# KiCad board switch.kicad_pcb
title: mrxSwitch; date: 2024-06-02; rev: V2; company: MUREX Robotics [Max Liu and Byran Huang]; note: utilizing the IC Plus IP175G and external magnetics; note: World's smallest and cheapest 5 port unmanaged ethernet switch; note: // TECHNOLOGY FOR ALL.; note: // ATTEMPT THE IMPOSSIBLE.
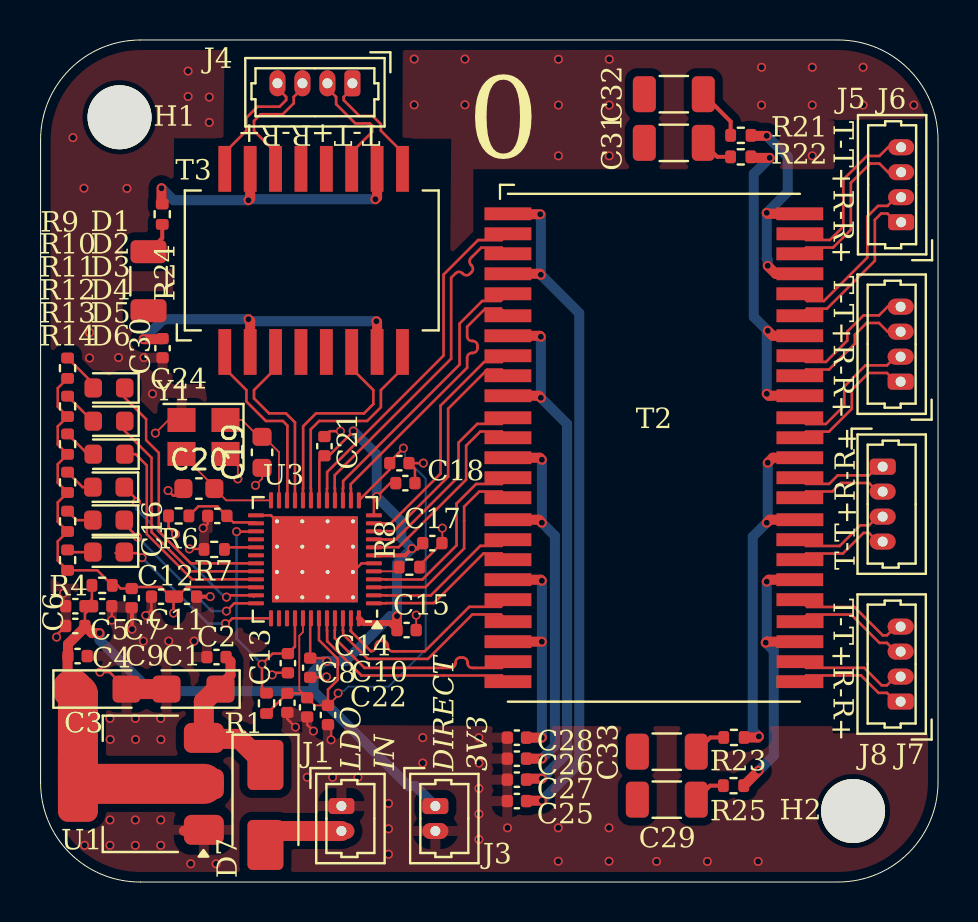
[diagram p0: board, top side]
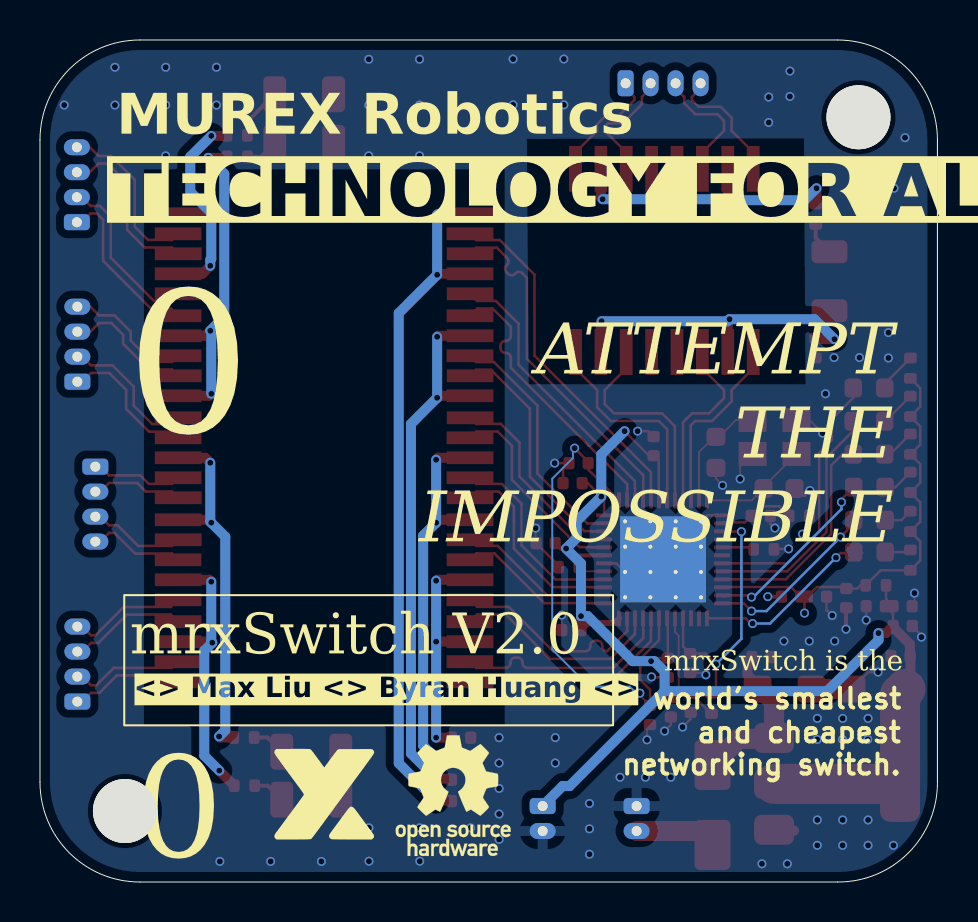
[diagram p1: board, bottom side, seen from below]

Outline 44.9 x 42.11 mm; copper layers: Top, In1.Cu (plane), In2.Cu (plane), Bottom. Coordinates in mm from the lower left corner of the outline.
Outline path: 0,5 0,37.11 arc(1.46,40.65) 5,42.11 39.9,42.11 arc(43.44,40.65) 44.9,37.11 44.9,5 arc(43.44,1.46) 39.9,0 5,0 arc(1.45,1.45) 0,5
Stack: Top 0.035mm / dielectric 0.1mm FR4 er 4.5 / In1.Cu 0.035mm / dielectric 1.24mm FR4 er 4.5 / In2.Cu 0.035mm / dielectric 0.1mm FR4 er 4.5 / Bottom 0.035mm

## Placement (name value [footprint] x y rotation side)
C1  10uF  [CP_EIA-3216-18_Kemet-A]  7.65 9.65 180 top
C2  0.1uF  [C_0402_1005Metric]  8.8 11.25 180 top
C3  10uF  [CP_EIA-3216-18_Kemet-A]  2.95 9.65 0 top
C4  0.1uF  [C_0402_1005Metric]  1.85 11.3 0 top
C5  0.1uF  [C_0402_1005Metric]  1.74 12.81 0 top
C6  22uF  [C_0402_1005Metric]  1.74 13.8 0 top
C7  47uF  [C_0402_1005Metric]  3.08 13.8 0 top
C8  4.7uF  [C_0402_1005Metric]  12.35 8.96 90 top
C9  0.1uF  [C_0402_1005Metric]  4.56 14.2 90 top
C10  10uF/NC  [C_0402_1005Metric]  13.34 8.74 90 top
C11  22uF  [C_0402_1005Metric]  7.32 14.27 180 top
C12  47uF  [C_0402_1005Metric]  6.03 14.27 180 top
C13  0.1uF  [C_0402_1005Metric]  12.37 10.95 270 top
C14  0.1uF  [C_0402_1005Metric]  13.49 10.72 270 top
C15  0.1uF  [C_0402_1005Metric]  18.31 12.6 0 top
C16  0.1uF  [C_0402_1005Metric]  8.84 18.31 0 top
C17  0.1uF  [C_0402_1005Metric]  19.6 16.95 0 top
C18  0.1uF  [C_0402_1005Metric]  18.25 19.95 0 top
C19  30pF  [C_0603_1608Metric]  11.08 21.49 90 top
C20  30pF  [C_0603_1608Metric]  7.92 19.68 0 top
C21  0.1uF  [C_0402_1005Metric]  14.2 21.8 90 top
C22  0.1uF  [C_0402_1005Metric]  14.38 8.35 270 top
C23  0.1uF  [C_0402_1005Metric]  17.95 20.95 0 top
C24  0.1uF  [C_0402_1005Metric]  6.1 26.7 270 top
C25  0.1uF  [C_0402_1005Metric]  23.83 4.05 180 top
C26  0.1uF  [C_0402_1005Metric]  23.83 6.17 180 top
C27  0.1uF  [C_0402_1005Metric]  23.83 5.12 180 top
C28  0.1uF  [C_0402_1005Metric]  23.83 7.22 180 top
C29  1nF 2KV (1206)  [C_1206_3216Metric]  31.33 4.12 180 top
C30  1nF 2KV (1206)  [C_1206_3216Metric]  5.4 30.05 270 top
C31  1nF 2KV (1206)  [C_1206_3216Metric]  31.68 36.97 180 top
C32  1nF 2KV (1206)  [C_1206_3216Metric]  31.68 39.4 180 top
C33  1nF 2KV (1206)  [C_1206_3216Metric]  31.33 6.52 180 top
D1  ~  [LED_0603_1608Metric]  3.42 24.71 180 top
D2  ~  [LED_0603_1608Metric]  3.42 23.05 180 top
D3  ~  [LED_0603_1608Metric]  3.42 21.4 180 top
D4  ~  [LED_0603_1608Metric]  3.4 19.75 180 top
D5  ~  [LED_0603_1608Metric]  3.4 18.1 180 top
D6  ~  [LED_0603_1608Metric]  3.4 16.5 180 top
D7  Input Diode  [D_SMA]  11.25 3.85 270 top
G***  LOGO  [10x10mm_Branding]  30.71 4.45 180 bottom
H1  MountingHole  [MountingHole_3.2mm_M3]  3.95 38.25 0 top
H2  MountingHole  [MountingHole_3.2mm_M3]  40.65 3.55 0 top
J1  LDO IN  [Molex_PicoBlade_53047-0210_1x02_P1.25mm_Vertical]  15.05 3.8 270 top
J3  3.3V IN  [Molex_PicoBlade_53047-0210_1x02_P1.25mm_Vertical]  19.75 3.8 270 top
J4  PHY 5  [Molex_PicoBlade_53047-0410_1x04_P1.25mm_Vertical]  15.6 39.95 180 top
J5  PHY 4  [Molex_PicoBlade_53047-0410_1x04_P1.25mm_Vertical]  43.06 33 90 top
J6  PHY 3  [Molex_PicoBlade_53047-0410_1x04_P1.25mm_Vertical]  43.03 25.02 90 top
J7  PHY 2  [Molex_PicoBlade_53047-0410_1x04_P1.25mm_Vertical]  42.13 20.77 270 top
J8  PHY 1  [Molex_PicoBlade_53047-0410_1x04_P1.25mm_Vertical]  43.03 9.02 90 top
R1  0  [R_0402_1005Metric]  11.31 8.94 270 top
R4  0  [R_0402_1005Metric]  3.08 14.84 0 top
R6  470K  [R_0402_1005Metric]  6.91 18.31 0 top
R7  0  [R_0402_1005Metric]  8.69 16.63 0 top
R8  6.2k 1%  [R_0402_1005Metric]  18.45 15.75 0 top
R9  1k  [R_0402_1005Metric]  1.35 25.7 90 top
R10  1k  [R_0402_1005Metric]  1.35 23.79 90 top
R11  1k  [R_0402_1005Metric]  1.35 21.9 90 top
R12  1k  [R_0402_1005Metric]  1.35 19.99 90 top
R13  1k  [R_0402_1005Metric]  1.35 18.04 90 top
R14  1k  [R_0402_1005Metric]  1.35 16.1 90 top
R21  75  [R_0402_1005Metric]  35.03 37.35 180 top
R22  75  [R_0402_1005Metric]  35.03 36.27 180 top
R23  75  [R_0402_1005Metric]  34.69 7.23 180 top
R24  75  [R_0402_1005Metric]  6.09 33.4 90 top
R25  75  [R_0402_1005Metric]  34.67 4.82 180 top
REF**  -  [OSHW-Logo_5.7x6mm_SilkScreen]  24.23 4.32 180 bottom
T2  -  [QT48A03]  30.69 21.72 0 top
T3  -  [BT16A07]  13.62 31.09 90 top
U1  LM1117MP-3.3  [SOT-223-3_TabPin2]  5.02 4.91 180 top
U3  IP175G  [QFN-48-1EP_6x6mm_P0.4mm_EP4.3x4.3mm_ThermalVias]  13.73 16.14 180 top
Y1  25MHz  [Crystal_SMD_3225-4Pin_3.2x2.5mm]  8.15 22.26 180 top

## Library data of the parts
C1 C3 C7 C12 = -: Description: Polarized capacitor, small symbol; ki_fp_filters: CP_*
C2 C4-C6 C8-C11 C13-C33 = -: Description: Unpolarized capacitor, small symbol; ki_fp_filters: C_*
D1-D6 = -: Description: Light emitting diode, small symbol; ki_fp_filters: LED* LED_SMD:* LED_THT:*
D7 = -: Description: Diode; Sim.Device: D; Sim.Pins: 1=K 2=A; ki_fp_filters: TO-???* *_Diode_* *SingleDiode* D_*
H1 H2 = -: Description: Mounting Hole without connection; ki_fp_filters: MountingHole*
J1 J3 = -: Description: Generic connector, single row, 01x02, script generated (kicad-library-utils/schlib/autogen/connector/); ki_fp_filters: Connector*:*_1x??_*
J4-J8 = -: Description: Generic connector, single row, 01x04, script generated (kicad-library-utils/schlib/autogen/connector/); ki_fp_filters: Connector*:*_1x??_*
R1 R4 R6-R14 R21-R25 = -: Description: Resistor, small symbol; ki_fp_filters: R_*
U1 = -: Datasheet: http://www.ti.com/lit/ds/symlink/lm1117.pdf; Description: 800mA Low-Dropout Linear Regulator, 3.3V fixed output, SOT-223; ki_fp_filters: SOT?223*
Y1 = -: Description: Four pin crystal, GND on pins 2 and 4, small symbol; ki_fp_filters: Crystal*

## Footprints (pads in the part's own frame, mm; a bottom-side part is the same pattern mirrored in y, then rotated)
BT16A07
  rect 2.29x0.64 smd: 1(-4.58,4.4) 2(-4.58,3.13) 3(-4.58,1.86) 4(-4.58,0.59) 5(-4.58,-0.68) 6(-4.58,-1.95) 7(-4.58,-3.22) 8(-4.58,-4.49) 9(4.58,-4.49) 10(4.58,-3.22) 11(4.58,-1.95) 12(4.58,-0.68) 13(4.58,0.59) 14(4.58,1.86) 15(4.58,3.13) 16(4.58,4.4)
C_0402_1005Metric
  rrect 0.56x0.62 smd: 1(-0.48,0) 2(0.48,0)
C_0603_1608Metric
  rrect 0.9x0.95 smd: 1(-0.775,0) 2(0.775,0)
C_1206_3216Metric
  rrect 1.15x1.8 smd: 1(-1.475,0) 2(1.475,0)
CP_EIA-3216-18_Kemet-A
  rrect 1.4x1.35 smd: 1(-1.35,0) 2(1.35,0)
Crystal_SMD_3225-4Pin_3.2x2.5mm
  rect 1.4x1.2 smd: 1(-1.1,-0.85) 2(1.1,-0.85) 3(1.1,0.85) 4(-1.1,0.85)
D_SMA
  rrect 2.5x1.8 smd: 1(-2,0) 2(2,0)
LED_0603_1608Metric
  rrect 0.875x0.95 smd: 1(-0.787,0) 2(0.787,0)
Molex_PicoBlade_53047-0210_1x02_P1.25mm_Vertical
  rrect 0.8x1.3 hole 0.5: 1(0,0)
  oval 0.8x1.3 hole 0.5: 2(1.25,0)
Molex_PicoBlade_53047-0410_1x04_P1.25mm_Vertical
  rrect 0.8x1.3 hole 0.5: 1(0,0)
  oval 0.8x1.3 hole 0.5: 2(1.25,0) 3(2.5,0) 4(3.75,0)
MountingHole_3.2mm_M3
  round 3.2 hole 3.2 unplated: (0,0)
QFN-48-1EP_6x6mm_P0.4mm_EP4.3x4.3mm_ThermalVias
  custom 1.156x1.156 smd: (-1.267,1.267) (-1.267,0) (-1.267,-1.267) (0,1.267) (0,0) (0,-1.267) (1.267,1.267) (1.267,0) (1.267,-1.267)
  rrect 0.8x0.2 smd: 1(-2.95,2.2) 2(-2.95,1.8) 3(-2.95,1.4) 4(-2.95,1) 5(-2.95,0.6) 6(-2.95,0.2) 7(-2.95,-0.2) 8(-2.95,-0.6) 9(-2.95,-1) 10(-2.95,-1.4) 11(-2.95,-1.8) 12(-2.95,-2.2) 25(2.95,-2.2) 26(2.95,-1.8) 27(2.95,-1.4) 28(2.95,-1) 29(2.95,-0.6) 30(2.95,-0.2) 31(2.95,0.2) 32(2.95,0.6) 33(2.95,1) 34(2.95,1.4) 35(2.95,1.8) 36(2.95,2.2)
  rrect 0.2x0.8 smd: 13(-2.2,-2.95) 14(-1.8,-2.95) 15(-1.4,-2.95) 16(-1,-2.95) 17(-0.6,-2.95) 18(-0.2,-2.95) 19(0.2,-2.95) 20(0.6,-2.95) 21(1,-2.95) 22(1.4,-2.95) 23(1.8,-2.95) 24(2.2,-2.95) 37(2.2,2.95) 38(1.8,2.95) 39(1.4,2.95) 40(1,2.95) 41(0.6,2.95) 42(0.2,2.95) 43(-0.2,2.95) 44(-0.6,2.95) 45(-1,2.95) 46(-1.4,2.95) 47(-1.8,2.95) 48(-2.2,2.95)
  round 0.5 hole 0.2: 49(-1.9,1.9) 49(-1.9,0.633) 49(-1.9,-0.633) 49(-1.9,-1.9) 49(-0.633,1.9) 49(-0.633,0.633) 49(-0.633,-0.633) 49(-0.633,-1.9) 49(0.633,1.9) 49(0.633,0.633) 49(0.633,-0.633) 49(0.633,-1.9) 49(1.9,1.9) 49(1.9,0.633) 49(1.9,-0.633) 49(1.9,-1.9)
  rect 4.3x4.3 smd: 49(0,0)
  rect 4.3x4.3 smd far side: 49(0,0)
QT48A03
  rect 2.34x0.64 smd: 1(-7.305,11.7) 2(-7.3,10.7) 3(-7.305,9.7) 4(-7.3,8.7) 5(-7.305,7.7) 6(-7.3,6.6) 7(-7.305,5.6) 8(-7.3,4.6) 9(-7.305,3.6) 10(-7.3,2.6) 11(-7.305,1.5) 12(-7.3,0.5) 13(-7.305,-0.5) 14(-7.3,-1.5) 15(-7.305,-2.5) 16(-7.3,-3.6) 17(-7.305,-4.6) 18(-7.3,-5.6) 19(-7.305,-6.6) 20(-7.3,-7.6) 21(-7.295,-8.7) 22(-7.3,-9.7) 23(-7.295,-10.7) 24(-7.3,-11.7) 25(7.305,-11.7) 26(7.31,-10.7) 27(7.305,-9.7) 28(7.31,-8.7) 29(7.305,-7.6) 30(7.3,-6.6) 31(7.305,-5.6) 32(7.3,-4.6) 33(7.305,-3.6) 34(7.3,-2.5) 35(7.305,-1.5) 36(7.3,-0.5) 37(7.305,0.5) 38(7.3,1.5) 39(7.305,2.6) 40(7.3,3.6) 41(7.305,4.6) 42(7.3,5.6) 43(7.305,6.6) 44(7.3,7.7) 45(7.305,8.7) 46(7.3,9.7) 47(7.305,10.7) 48(7.3,11.7)
R_0402_1005Metric
  rrect 0.54x0.64 smd: 1(-0.51,0) 2(0.51,0)
SOT-223-3_TabPin2
  rrect 2x1.5 smd: 1(-3.15,2.3) 2(-3.15,0) 3(-3.15,-2.3)
  rrect 2x3.8 smd: 2(3.15,0)

## Nets
+1.1V: C13.1 R1.1 U3.27 U3.40
+1.1VA: C8.2 C10.2 C22.1 C23.1 R1.2 U3.13 U3.41 U3.43
+3.3V: C9.2 C11.2 C12.1 R4.2 R6.1 R9.1 R10.1 R11.1 R12.1 R13.1 R14.1 U3.34
GND: C1.2 C2.2 C3.2 C4.2 C5.1 C6.1 C7.2 C8.1 C9.1 C10.1 C11.1 C12.2 C13.2 C14.2 C15.2 C16.1 C17.2 C18.2 C19.1 C20.1 C21.2 C22.2 C23.2 C24.2 C25.2 C26.2 C27.2 C28.2 J1.1 J3.2 R7.1 R8.2 U1.1 U3.6 U3.25 U3.49 Y1.2 Y1.4
VCC: C3.1 C4.1 C5.2 C6.2 C7.1 C14.1 C15.1 C17.1 C18.1 C21.1 J3.1 R4.1 U1.2 U3.7 U3.12 U3.18 U3.42 U3.48
/IP175G/AFT: U3.30
/IP175G/F_POWER_OFF: U3.28
/IP175G/F_POWER_OFF_LED/VLAN_DIS: D1.1 U3.31
/IP175G/LIND_LED3/Hi_PRI(1): D3.1 U3.33
/IP175G/LINK_LED0: D6.1 U3.37
/IP175G/LINK_LED1/SCLK/BF_STM_DIS: D5.1 U3.36
/IP175G/LINK_LED2/REDUCE_IPG_EN: D4.1 U3.35
/IP175G/LINK_LED4/Hi_PRI(2): D2.1 U3.32
/IP175G/RESETB: C16.2 R6.2 U3.26
/IP175G/RXI0+: T2.24 U3.44
/IP175G/RXI0-: T2.23 U3.45
/IP175G/RXI1+: T2.14 U3.4
/IP175G/RXI1-: T2.15 U3.3
/IP175G/RXI2+: T2.12 U3.8
/IP175G/RXI2-: T2.11 U3.9
/IP175G/RXI3+: T2.6 U3.14
/IP175G/RXI3-: T2.5 U3.15
/IP175G/RXI4+: T3.1 U3.22
/IP175G/RXI4-: T3.3 U3.21
/IP175G/SCL: U3.38
/IP175G/SDA: U3.39
/IP175G/TXO0+: T2.21 U3.46
/IP175G/TXO0-: T2.20 U3.47
/IP175G/TXO1+: T2.17 U3.2
/IP175G/TXO1-: T2.18 U3.1
/IP175G/TXO2+: T2.9 U3.10
/IP175G/TXO2-: T2.8 U3.11
/IP175G/TXO3+: T2.3 U3.16
/IP175G/TXO3-: T2.2 U3.17
/IP175G/TXO4+: T3.6 U3.20
/IP175G/TXO4-: T3.8 U3.19
/Magnetics/CT0: C28.1 T2.19 T2.22
/Magnetics/CT1: C26.1 T2.13 T2.16
/Magnetics/CT2: C27.1 T2.7 T2.10
/Magnetics/CT3: C25.1 T2.1 T2.4
/Magnetics/CT4: C24.1 T3.2 T3.7
/Magnetics/REF0: C29.1 R25.2
/Magnetics/REF1: C33.1 R23.2
/Magnetics/REF2: C31.1 R22.2
/Magnetics/REF3: C32.1 R21.2
/Magnetics/REF4: R24.2 T3.10 T3.15
/Magnetics/RX0+: J8.1 T2.25
/Magnetics/RX0-: J8.2 T2.26
/Magnetics/RX1+: J7.1 T2.35
/Magnetics/RX1-: J7.2 T2.34
/Magnetics/RX2+: J6.1 T2.37
/Magnetics/RX2-: J6.2 T2.38
/Magnetics/RX3+: J5.1 T2.43
/Magnetics/RX3-: J5.2 T2.44
/Magnetics/RX4+: J4.4 T3.16
/Magnetics/RX4-: J4.3 T3.14
/Magnetics/TX0+: J8.3 T2.28
/Magnetics/TX0-: J8.4 T2.29
/Magnetics/TX1+: J7.3 T2.32
/Magnetics/TX1-: J7.4 T2.31
/Magnetics/TX2+: J6.3 T2.40
/Magnetics/TX2-: J6.4 T2.41
/Magnetics/TX3+: J5.3 T2.46
/Magnetics/TX3-: J5.4 T2.47
/Magnetics/TX4+: J4.2 T3.11
/Magnetics/TX4-: J4.1 T3.9
Earth: C29.2 C30.2 C31.2 C32.2 C33.2
Net-(C30-Pad1): C30.1 R24.1
Net-(D1-A): D1.2 R9.2
Net-(D2-A): D2.2 R10.2
Net-(D3-A): D3.2 R11.2
Net-(D4-A): D4.2 R12.2
Net-(D5-A): D5.2 R13.2
Net-(D6-A): D6.2 R14.2
Net-(D7-A): D7.2 J1.2
Net-(D7-K): C1.1 C2.1 D7.1 U1.3
Net-(R21-Pad1): R21.1 T2.45 T2.48
Net-(R22-Pad1): R22.1 T2.39 T2.42
Net-(R23-Pad1): R23.1 T2.33 T2.36
Net-(R25-Pad1): R25.1 T2.27 T2.30
Net-(U3-BGRES): R8.1 U3.5
Net-(U3-OSCI): C19.2 U3.23 Y1.1
Net-(U3-TEST1): R7.2 U3.29
Net-(U3-X2): C20.2 U3.24 Y1.3

Pads without a net: T3 4 5 12 13

## Via types
v1: diameter 0.45, hole 0.3, Top to Bottom, 139 vias

## Routing (per net, layer and track width the routed paths; a pad name or vN(x,y) marks a point on that pad's centre or on a via; arc(x,y) is an arc through that point)
+1.1V: length 13.1
  Top w0.125: v1(9.81,17.52) 10.76,17.52 U3.27 ; R1.1 11.08,9.68 v1(11.08,10.89) 11.61,11.43 C13.1 12.73,11.78 U3.40
  Bottom w0.125: v1(9.81,17.52) 9.81,12.16 v1(11.08,10.89)
+1.1VA: length 33.1
  Top w0.09: U3.41 13.13,12.5 12.94,12.32 12.94,9.61 C10.2 13.72,8.83 C22.1 14.89,9.34 v1(14.89,9.45)
  Top w0.125: R1.2 11.33,8.43 C8.2 13.11,9.44 C10.2 ; C22.1 14.38,9.62 14.87,10.11 14.87,11.16 13.93,12.1 U3.43 ; v1(18.15,21.7) 17.47,21.02 C23.1 17.47,20.63 U3.13
  Bottom w0.09: v1(18.15,21.7) 18.24,21.61 18.24,21.21 19.27,20.17 19.27,11.62 17.42,9.78 15.39,9.78 15.19,9.57 15.01,9.57 v1(14.89,9.45)
+3.3V: length 27.8
  Top w0.125: C12.1 C11.2 7.33,14.75 10.76,14.75 U3.34 ; C12.1 6.65,14.13 v1(6.65,13.45) ; C12.1 6.02,14.75 4.63,14.75 C9.2 4.01,14.68 3.85,14.84 R4.2 2.84,15.59 R14.1 0.86,16.08 0.86,17.04 R13.1 0.86,18.02 0.86,18.99 R12.1 0.86,19.97 0.86,20.9 R11.1 0.86,21.88 0.86,22.79 R10.1 0.86,23.77 0.86,24.7 R9.1 ; R6.1 6.4,17.75 v1(6.75,17.4)
  In2.Cu w0.125: v1(6.65,13.45) 6.75,13.55 v1(6.75,17.4)
GND: length 27.7
  Top w0.09: Y1.2 6.4,23.11 v1(5.74,22.45) ; v1(14.53,7.11) 14.53,7.72 C22.2 ; v1(1.15,14.45) 1.15,13.91 C6.1 ; C19.1 11.08,20.17 v1(10.75,19.84) ; v1(20.1,17.7) 20.1,16.97 C17.2 ; v1(9.87,20.16) 9.87,20.79 Y1.4 ; v1(18.79,13.35) C15.2
  Top w0.125: C21.2 14.47,22.55 v1(15,22.55) ; v1(7.44,16.66) 8.15,16.66 ; U3.49 11.53,18.34 U3.25 ; v1(0.8,12.25) 0.8,12.35 C5.1 ; C8.1 12.35,8.15 v1(12.75,7.75) ; v1(19.15,20.95) C23.2 18.73,20.65 C18.2 ; C14.2 14.28,10.24 v1(14.3,10.26) ; R8.2 18.96,15.83 C17.2 ; v1(3.56,13.1) C7.2 ; v1(5.26,13.33) 5.5,13.56 5.55,13.56 C12.2 ; v1(2.97,10.5) 3.45,10.5 C3.2 ; 7.14,19.33 6.63,19.33 v1(6.38,19.58) ; v1(13.65,7.55) 13.34,7.86 C10.1 ; v1(11.58,10.36) 11.69,10.47 C13.2 ; U3.6 16.06,15.94 U3.49 ; C16.1 8.36,17.91 8.13,17.68 v1(8.13,17.7)
  Top w0.199: C9.1 4.57,13.7 v1(4.57,12.65) ; v1(8.49,14.27) C11.1
  Top w0.5: 7.18,2.57 7.17,2.56
  Top w1: C3.2 C1.2
  vias: v1(1.62,37.23) v1(2.17,34.7) v1(2.2,1.83) v1(2.45,27.48) v1(2.45,26.21) v1(3.47,8.18) v1(3.48,7.13) v1(3.47,3.1) v1(3.47,1.83) v1(3.9,26.23) v1(4.32,34.69) v1(4.74,8.18) v1(4.75,7.13) v1(4.74,3.1) v1(4.74,1.83) v1(5.17,26.23) v1(5.14,12.05) v1(5.6,24.42) v1(6.01,8.18) v1(6.02,7.13) v1(6.01,3.1) v1(6.01,1.83) v1(6.41,12.05) v1(7.38,40.56) v1(7.38,39.29) v1(7.51,0.91) v1(7.68,12.05) v1(8.44,39.26) v1(8.44,37.99) v1(8.78,0.91) v1(13.34,5.24) v1(14.61,5.24) v1(15.88,5.24) v1(17.41,3.93) v1(17.41,2.66) v1(17.41,1.39) v1(18.69,41.16) v1(18.69,38.87) v1(19.12,7.22) v1(19.12,5.95) v1(21.23,41.16) v1(21.23,38.87) v1(21.93,7.22) v1(21.93,5.95) v1(21.93,4.68) v1(21.93,3.4) v1(21.93,2.13) v1(23.36,2.71) v1(25.91,41.15) v1(25.91,38.86) v1(25.91,36.32) v1(25.9,2.71) v1(25.9,1.04) v1(28.45,41.15) v1(28.45,38.86) v1(28.45,36.32) v1(28.44,2.71) v1(28.44,1.04) v1(30.82,1.03) v1(33.36,1.03) v1(35.9,1.03) v1(36.07,40.75) v1(36.07,38.86) v1(38.61,40.75) v1(38.61,38.86) v1(38.61,36.32) v1(41.15,40.75) v1(41.15,38.86) v1(43.69,38.86)
VCC: length 70.6
  Top w0.125: C18.1 17.49,19.95 v1(16.82,19.28) 16.68,19.14 U3.12 ; 2.57,14.84 2.57,14.15 C6.2 ; 14.35,11.07 14.23,11.2 C14.1 13.49,13.15 U3.42 ; v1(15.65,22.55) 15.65,22.55 14.42,21.32 C21.1 13.95,21.07 13.95,19.11 U3.18 ; C5.2 2.22,13.41 C7.1
  Top w0.199: C17.1 18.85,16.68 v1(18.58,16.68) 18.24,16.34 U3.7
  Top w0.3: C15.1 17.48,12.95 16.16,12.95 U3.48
  Top w0.5: v1(2.95,12.45) 2.57,12.45 C5.2 2.22,12.74 1.37,11.9 C4.1 1.35,11.28 1.35,9.6 ; v1(17.83,13.3) C15.1
  Top w2: C3.1 1.87,9.38 U1.2 U1.2
  Bottom w0.5: v1(2.95,12.45) 2.95,12.1 5.5,9.55 13.65,9.55 ; J3.1 18.75,4.8 18.4,4.8 13.65,9.55 ; 13.65,9.55 13.65,10.53 14.17,11.05 v1(14.33,11.05) 15.25,11.05 17.5,13.3 v1(17.83,13.3) 17.83,15.93 v1(18.58,16.68) 18.05,17.21 18.05,18.04 v1(16.82,19.28) 16.82,21.38 v1(15.65,22.55)
/IP175G/F_POWER_OFF_LED/VLAN_DIS: length 13.4
  Top w0.125: D1.1 4.21,24.22 5.28,23.15 5.28,22.1 5.92,21.47 5.92,17.54 7.51,15.94 U3.31
/IP175G/LIND_LED3/Hi_PRI(1): length 11.2
  Top w0.125: D3.1 4.75,21.4 5.32,20.83 5.32,17.4 7.58,15.14 U3.33
/IP175G/LINK_LED0: length 9.4
  Top w0.125: v1(5.08,16.22) 4.85,16.45 3.75,16.45 ; v1(9.25,12.93) 9.33,12.93 9.59,13.19 U3.37 ; 4.24,16.45 D6.1
  Bottom w0.125: v1(9.25,12.93) 8.37,12.93 v1(5.08,16.22)
/IP175G/LINK_LED1/SCLK/BF_STM_DIS: length 8.4
  Top w0.125: 4.5,17.85 4.5,17.6 v1(4.85,17.25) ; v1(9.3,13.55) 9.69,13.94 U3.36
  Bottom w0.125: v1(4.85,17.25) 8.55,13.55 v1(9.3,13.55)
/IP175G/LINK_LED2/REDUCE_IPG_EN: length 9.3
  Top w0.125: v1(9.3,14.25) 9.39,14.34 U3.35 10.74,14.34 10.67,14.27 ; D4.1 4.8,19.14 v1(4.8,19)
  Bottom w0.125: v1(4.8,19) 4.8,18.65 9.2,14.25 v1(9.3,14.25)
/IP175G/LINK_LED4/Hi_PRI(2): length 12.1
  Top w0.125: D2.1 4.21,22.56 5.55,21.22 5.55,17.5 7.51,15.54 U3.32
/IP175G/RESETB: length 3.9
  Top w0.125: R6.2 7.9,18.79 8.84,18.79 C16.2 9.64,17.99 10.73,17.99 U3.26
/IP175G/RXI0+: length 11
  Top w0.13: U3.44 14.33,12.59 14.34,12.58 14.34,12.05 16.05,10.33 23.08,10.33 T2.24
/IP175G/RXI0-: length 11
  Top w0.13: U3.45 14.73,12.59 14.72,12.58 14.72,12.2 16.21,10.71 20.52,10.71 arc(20.69,10.78) 20.76,10.95 20.76,10.99 arc(20.83,11.15) 21,11.23 21.12,11.23 arc(21.29,11.15) 21.36,10.99 21.36,10.95 arc(21.43,10.78) 21.6,10.71 23.08,10.71 T2.23
/IP175G/RXI1+: length 10
  Top w0.13: U3.4 17.28,15.14 17.29,15.13 19.1,15.13 20.81,16.84 20.81,18.93 21.79,19.91 23.07,19.91 T2.14
/IP175G/RXI1-: length 10
  Top w0.13: T2.15 23.07,19.53 21.95,19.53 21.19,18.77 21.19,16.68 19.26,14.75 17.29,14.75 17.28,14.74 U3.3
/IP175G/RXI2+: length 10.2
  Top w0.13: T2.12 23.07,22.53 22,22.53 21.29,21.82 21.29,20.12 17.92,16.75 17.29,16.75 17.28,16.74 U3.8
/IP175G/RXI2-: length 10.2
  Top w0.13: T2.11 23.07,22.91 21.84,22.91 20.91,21.98 20.91,20.28 17.76,17.13 17.29,17.13 17.28,17.14 U3.9
/IP175G/RXI3+: length 14.3
  Top w0.13: U3.14 15.53,19.69 15.52,19.7 15.52,19.9 21.34,25.72 21.34,26.22 arc(21.41,26.39) 21.58,26.46 21.62,26.46 arc(21.79,26.53) 21.86,26.7 21.86,26.82 arc(21.79,26.99) 21.62,27.06 21.58,27.06 arc(21.41,27.13) 21.34,27.3 21.34,27.77 22.25,28.68 23.02,28.68 T2.6
/IP175G/RXI3-: length 14.3
  Top w0.13: U3.15 15.13,19.69 15.14,19.7 15.14,20.05 20.96,25.88 20.96,27.93 22.09,29.06 23.02,29.06 T2.5
/IP175G/RXI4+: length 9.2
  Top w0.13: T3.1 9.22,25.68 10.3,24.6 10.3,24.04 11.27,23.06 12.12,23.06 12.35,22.83 12.35,19.11 U3.22
/IP175G/RXI4-: length 9.2
  Top w0.13: U3.21 12.73,22.99 12.28,23.44 11.43,23.44 10.68,24.19 10.68,24.6 11.76,25.68 T3.3
/IP175G/TXO0+: length 10.6
  Top w0.13: T2.21 23.03,13.38 21.6,13.38 19.38,11.16 16.37,11.16 15.14,12.4 15.14,12.58 15.13,12.59 U3.46
/IP175G/TXO0-: length 10.6
  Top w0.13: U3.47 15.53,12.59 15.52,12.58 15.52,12.55 16.53,11.54 arc(16.7,11.61) 16.77,11.78 16.77,11.82 arc(16.84,11.99) 17.01,12.06 17.13,12.06 arc(17.3,11.99) 17.37,11.82 17.37,11.78 arc(17.44,11.61) 17.61,11.54 19.22,11.54 21.44,13.76 23.03,13.76 T2.20
/IP175G/TXO1+: length 7.9
  Top w0.13: T2.17 23.07,16.81 22,16.81 19.52,14.33 17.29,14.33 17.28,14.34 U3.2
/IP175G/TXO1-: length 7.9
  Top w0.13: T2.18 23.07,16.43 22.16,16.43 19.67,13.95 17.29,13.95 17.28,13.94 U3.1
/IP175G/TXO2+: length 12.2
  Top w0.13: T2.9 23.07,25.63 22.35,25.63 20.39,23.67 20.39,20.27 17.67,17.55 17.29,17.55 17.28,17.54 U3.10
/IP175G/TXO2-: length 12.2
  Top w0.13: T2.8 23.07,26.01 22.19,26.01 20.01,23.83 20.01,20.43 17.51,17.93 17.29,17.93 17.28,17.94 U3.11
/IP175G/TXO3+: length 17.8
  Top w0.13: U3.16 14.73,19.69 14.72,19.7 14.72,20.35 20.54,26.17 20.54,30.22 20.77,30.45 arc(20.94,30.52) 21.11,30.45 21.14,30.42 arc(21.31,30.35) 21.48,30.42 21.56,30.5 arc(21.63,30.67) 21.56,30.84 21.53,30.87 arc(21.46,31.04) 21.53,31.21 22.05,31.73 23.07,31.73 T2.3
/IP175G/TXO3-: length 17.8
  Top w0.13: T2.2 23.07,32.11 21.89,32.11 20.16,30.38 20.16,26.33 14.34,20.5 14.34,19.7 14.33,19.69 U3.17
/IP175G/TXO4+: length 10.7
  Top w0.13: U3.20 13.13,19.69 13.14,19.7 13.14,22.8 13.78,23.44 16.18,23.44 16.65,23.9 16.65,24.6 15.57,25.68 T3.6
/IP175G/TXO4-: length 10.7
  Top w0.13: U3.19 13.53,19.69 13.52,19.7 13.52,22.64 13.94,23.06 16.34,23.06 17.03,23.75 17.03,24.6 18.11,25.68 T3.8
/Magnetics/CT0: length 12
  Top w0.5: T2.19 25.03,15.12 v1(25.08,15.07) ; v1(25.08,7.22) C28.1 ; T2.22 v1(25.08,12.02)
  Bottom w0.5: v1(25.08,7.22) v1(25.08,12.02) v1(25.08,15.07)
/Magnetics/CT1: length 19.8
  Top w0.5: v1(25.08,21.12) 24.98,21.22 T2.13 ; v1(25.08,17.97) 24.93,18.12 T2.16 ; v1(25.08,6.17) C26.1
  Bottom w0.5: v1(25.08,21.12) v1(25.08,17.97) 25.73,17.32 25.73,6.82 v1(25.08,6.17)
/Magnetics/CT2: length 27.3
  Top w0.5: v1(25.08,5.17) 24.36,5.17 C27.1 ; T2.10 24.93,24.32 v1(25.03,24.22) ; T2.7 24.98,27.32 v1(25.03,27.27)
  Bottom w0.5: v1(25.08,5.17) 26.34,6.43 26.34,22.91 v1(25.03,24.22) v1(25.03,27.27)
/Magnetics/CT3: length 35
  Top w0.5: C25.1 24.33,4.07 v1(25.08,4.07) ; v1(25.03,30.37) 24.98,30.42 T2.4 ; v1(25,33.4) 23.4,33.4 T2.1
  Bottom w0.5: v1(25.08,4.07) 26.95,5.94 26.95,28.45 v1(25.03,30.37) 25.03,33.37 v1(25,33.4)
/Magnetics/CT4: length 16.3
  Top w0.5: T3.2 10.49,28.06 v1(10.4,28.15) ; v1(5.15,27.15) 6.07,27.15 C24.1 ; T3.7 16.84,28.01 v1(16.8,28.05)
  Bottom w0.5: v1(16.8,28.05) 10.5,28.05 v1(10.4,28.15) 6.15,28.15 v1(5.15,27.15)
/Magnetics/REF0: length 1.6
  Top w0.199: R25.2 33.51,4.82 C29.1
/Magnetics/REF1: length 1.7
  Top w0.199: R23.2 33.52,7.23 C33.1
/Magnetics/REF2: length 1.7
  Top w0.199: C31.1 33.86,36.27 R22.2
/Magnetics/REF3: length 2.6
  Top w0.199: R21.2 34.52,38.03 C32.1
/Magnetics/REF4: length 14.9
  Top w0.5: R24.2 6.05,33.95 v1(6.05,34.7) ; v1(16.75,34.15) 16.84,34.24 T3.10 ; v1(10.4,34.1) 10.49,34.19 T3.15
  Bottom w0.5: v1(6.05,34.7) 6.65,34.1 v1(10.4,34.1) 10.45,34.15 v1(16.75,34.15)
/Magnetics/RX0+: length 5.7
  Top w0.13: T2.25 38.3,10.33 41.05,10.33 41.92,9.46 42.35,9.46 42.78,9.02 J8.1
/Magnetics/RX0-: length 5.7
  Top w0.13: J8.2 42.78,10.27 42.35,9.84 42.08,9.84 41.21,10.71 38.3,10.71 T2.26
/Magnetics/RX1+: length 4.6
  Top w0.13: J7.1 41.88,20.77 41.45,20.34 39.88,20.34 39.45,19.91 38.3,19.91 T2.35
/Magnetics/RX1-: length 4.6
  Top w0.13: J7.2 41.88,19.52 41.45,19.96 40.04,19.96 39.61,19.53 38.3,19.53 T2.34
/Magnetics/RX2+: length 7.1
  Top w0.13: J6.1 42.78,25.02 42.35,25.46 41.43,25.46 40.59,24.62 40.59,23.67 39.45,22.53 38.3,22.53 T2.37
/Magnetics/RX2-: length 7.1
  Top w0.13: J6.2 42.78,26.27 42.35,25.84 41.27,25.84 40.21,24.78 40.21,23.83 39.29,22.91 38.3,22.91 T2.38
/Magnetics/RX3+: length 8.6
  Top w0.13: J5.1 42.81,33 42.37,33.43 42.05,33.43 41.74,33.12 41.74,31.07 39.35,28.68 38.35,28.68 T2.43
/Magnetics/RX3-: length 8.6
  Top w0.13: J5.2 42.81,34.25 42.37,33.81 41.9,33.81 41.36,33.28 41.36,31.23 39.19,29.06 38.35,29.06 T2.44
/Magnetics/RX4+: length 6.4
  Top w0.13: T3.16 9.22,36.49 10.3,37.57 10.3,38.23 10.85,38.78 11.96,38.78 12.29,39.11 12.29,39.27 11.85,39.7 J4.4
/Magnetics/RX4-: length 6.4
  Top w0.13: J4.3 13.1,39.7 12.67,39.27 12.67,38.95 12.12,38.4 11.01,38.4 10.68,38.07 10.68,37.57 11.76,36.49 T3.14
/Magnetics/TX0+: length 6
  Top w0.13: J8.3 42.78,11.52 42.35,11.96 41.97,11.96 40.55,13.38 38.35,13.38 T2.28
/Magnetics/TX0-: length 6
  Top w0.13: J8.4 42.78,12.77 42.35,12.34 42.13,12.34 40.71,13.76 38.35,13.76 T2.29
/Magnetics/TX1+: length 4.9
  Top w0.13: J7.3 41.88,18.27 41.45,17.84 41.01,17.84 39.98,16.81 38.3,16.81 T2.32
/Magnetics/TX1-: length 4.9
  Top w0.13: T2.31 38.3,16.43 40.14,16.43 41.17,17.46 41.45,17.46 41.88,17.02 J7.4
/Magnetics/TX2+: length 6.6
  Top w0.13: J6.3 42.38,27.52 41.95,27.96 41.33,27.96 40.74,27.37 40.74,26.92 39.45,25.63 38.3,25.63 T2.40
/Magnetics/TX2-: length 6.6
  Top w0.13: T2.41 38.3,26.01 39.29,26.01 40.36,27.08 40.36,27.53 41.17,28.34 41.95,28.34 42.38,28.77 J6.4
/Magnetics/TX3+: length 8.5
  Top w0.13: T2.46 38.3,31.73 39.65,31.73 40.54,32.62 40.54,34.97 41.5,35.93 41.97,35.93 42.41,35.5 J5.3
/Magnetics/TX3-: length 8.5
  Top w0.13: J5.4 42.41,36.75 41.97,36.31 41.35,36.31 40.16,35.13 40.16,32.78 39.49,32.11 38.3,32.11 T2.47
/Magnetics/TX4+: length 6.1
  Top w0.13: J4.2 14.35,39.7 14.79,39.27 14.79,38.91 15.75,37.94 16.48,37.94 16.59,37.83 16.59,37.52 15.57,36.49 T3.11
/Magnetics/TX4-: length 6.1
  Top w0.13: J4.1 15.6,39.7 15.17,39.27 15.17,39.1 15.95,38.32 16.61,38.32 17.03,37.9 17.03,37.57 18.11,36.49 T3.9
Net-(C30-Pad1): length 1.6
  Top w0.199: R24.1 6.09,32.21 C30.1
Net-(D1-A): length 2
  Top w0.125: R9.2 2.63,24.93 D1.2
Net-(D2-A): length 1.8
  Top w0.125: R10.2 2.6,23.05 D2.2
Net-(D3-A): length 1.7
  Top w0.125: R11.2 2.36,21.4 D3.2
Net-(D4-A): length 1.6
  Top w0.125: R12.2 2.1,19.75 D4.2
Net-(D5-A): length 1.4
  Top w0.125: R13.2 1.8,18.1 D5.2
Net-(D6-A): length 1.3
  Top w0.125: D6.2 1.46,16.5 R14.2
Net-(D7-A): length 4.1
  Top w1: D7.2 11.95,2.55 J1.2
Net-(D7-K): length 8.6
  Top w0.5: C2.1 9.5,11.03 9.5,10.35 8.75,9.6
  Top w1: 8.75,9.6 8.17,9.02 U1.3 ; 7.92,7.16 9.95,7.16 D7.1
Net-(R21-Pad1): length 11.6
  Top w0.5: v1(36.33,37.32) 35.57,37.32 R21.1 ; v1(36.33,33.47) 36.38,33.42 T2.48 ; v1(36.38,30.82) 36.78,30.42 T2.45
  Bottom w0.5: v1(36.38,30.82) 36.38,31.12 36.33,31.17 v1(36.33,33.47) 37.38,34.52 37.38,36.27 v1(36.33,37.32)
Net-(R22-Pad1): length 16.8
  Top w0.5: T2.42 36.63,27.32 v1(36.38,27.57) ; v1(36.48,36.22) 35.59,36.22 R22.1 ; v1(36.33,24.42) 36.43,24.32 T2.39
  Bottom w0.5: v1(36.33,24.42) 36.33,27.52 v1(36.38,27.57) 35.68,28.27 35.68,35.42 v1(36.48,36.22)
Net-(R23-Pad1): length 18.3
  Top w0.5: v1(35.94,7.28) 35.89,7.23 R23.1 ; v1(36.33,17.97) 36.48,18.12 T2.33 ; v1(36.38,20.97) 36.63,21.22 T2.36
  Bottom w0.5: v1(36.38,20.97) 36.38,18.02 v1(36.33,17.97) 35.63,17.27 35.63,7.59 v1(35.94,7.28)
Net-(R25-Pad1): length 14.4
  Top w0.5: v1(36.33,15.02) 36.43,15.12 T2.30 ; v1(36.28,11.97) 36.33,12.02 T2.27 ; v1(35.93,5.57) R25.1
  Bottom w0.5: v1(35.93,5.57) 36.68,6.32 36.68,11.57 v1(36.28,11.97) 36.33,12.02 v1(36.33,15.02)
Net-(U3-BGRES): length 1.4
  Top w0.09: R8.1 17.73,15.54 U3.5
Net-(U3-OSCI): length 5.8
  Top w0.09: Y1.1 10.07,23.11 10.75,22.43 11,22.43 11.93,21.5 U3.23
Net-(U3-TEST1): length 1.6
  Top w0.125: U3.29 9.3,16.74 R7.2
Net-(U3-X2): length 5.5
  Top w0.09: U3.24 9.29,19.09 8.7,19.68 8.7,19.77 Y1.3

## Copper pours and planes (outline as drawn; the poured copper is in the pictures)
GND on Top, Bottom, In1.Cu, In2.Cu: 46.4,43.2 46.15,-1.4 -1.5,-1.15 -0.5,43.35

## Text on the board
B.Silkscreen: world's smallest | and cheapest / networking switch. | 0 | mrxSwitch is the | <> Max Liu <> Byran Huang <> | mrxSwitch V2.0 | MUREX Robotics | ATTEMPT / THE / IMPOSSIBLE | TECHNOLOGY FOR ALL
User.Comments: PCB3D_TL_<switch> | PCB3D_BR_<switch>
F.Silkscreen: T-T+R-R+ | LDO / IN | DIRECT / 3V3 | 0
